# KiCad board board.kicad_pcb (continued)
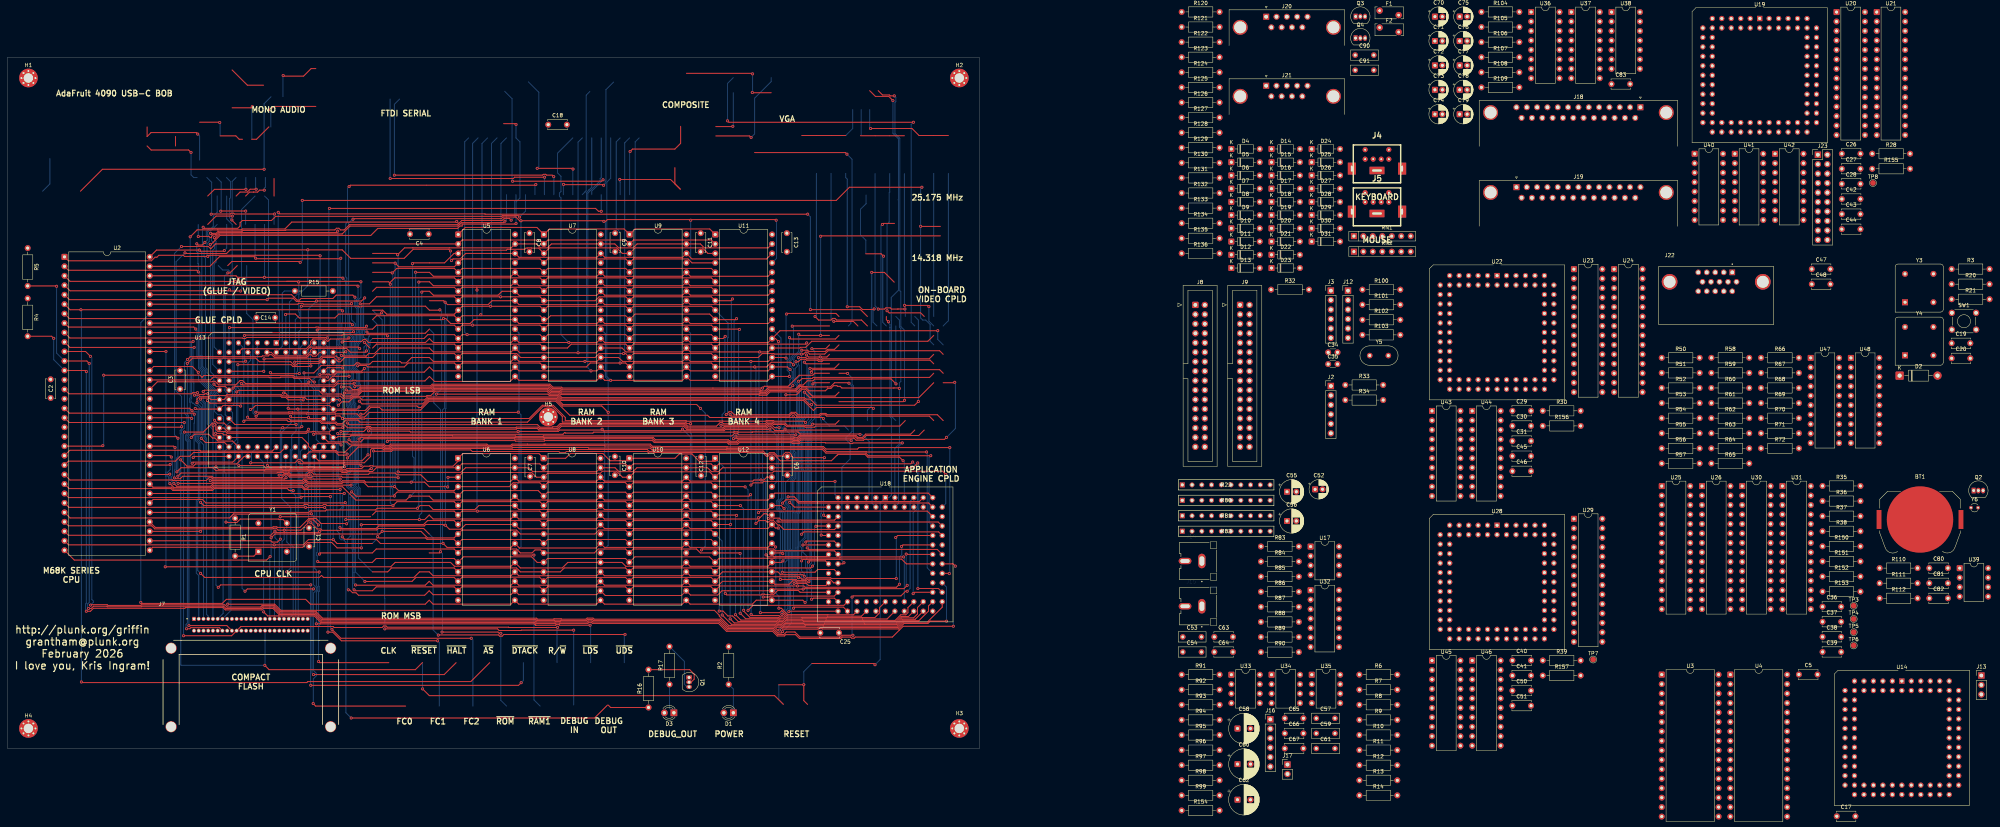
[diagram p0: board, top side]
## Library data of the parts
BT1 = -: Description: Coin cell, RTC backup
C1-C14 C17 C18 C25-C31 C34-C41 C80-C83 = -: Description: Unpolarized capacitor; ki_fp_filters: C_*
C19 C20 C42-C48 C50 C51 C53 C54 C57 C59 C61 C63-C67 C90 C91 = -: ki_fp_filters: C_*
C52 C55 C56 C58 C60 C62 = -: ki_fp_filters: CP_*
C70-C79 = -: Description: Polarized capacitor; ki_fp_filters: CP_*
D1 D3 = -: Description: POWER LED; Sim.Pins: 1=K 2=A; ki_fp_filters: LED* LED_SMD:* LED_THT:*
D2 = -: Datasheet: http://www.vishay.com/docs/88525/1n5817.pdf; Description: 20V 1A Schottky Barrier Rectifier Diode, DO-41; ki_fp_filters: D*DO?41*
D4-D31 = -: ki_fp_filters: TO-???* *_Diode_* *SingleDiode* D_*
F1 F2 = -: ki_fp_filters: *polyfuse* *PTC*
H1-H5 = -: Description: Mounting Hole with connection; ki_fp_filters: MountingHole*Pad*
J2 = -: Description: JTAG programming header: TCK TMS TDI TDO 5V GND; ki_fp_filters: Connector*:*_1x??_*
J3 J12 = -: Description: FTDI TTL-232R 6-pin header; ki_fp_filters: Connector*:*_1x??_*
J4 J5 = -: Datasheet: http://service.powerdynamics.com/ec/Catalog17/Section%2011.pdf; Description: KMDGX-6S-BS
J7 = -: PARTREV: A; STANDARD: Manufacturer Recommendations; MAXIMUM_PACKAGE_HEIGHT: 6.35 mm; MANUFACTURER: Samtec
J8 J9 = -: Datasheet: https://github.com/gusmanb/logicanalyzer/wiki/02---LogicAnalyzer-Hardware; Description: Logic analyzer debug header, gusmanb LogicAnalyzer V2 J2 pinout, 2x16 IDC box header; ki_fp_filters: Connector*:*_2x??_*
J13 J16 J17 = -: ki_fp_filters: Connector*:*_1x??_*
J14 J15 = -: ki_fp_filters: *BNC* *SMA* *SMB* *SMC* *Cinch* *LEMO* *UMRF* *MCX* *U.FL*
J18 = -: Description: DB-25 connector; ki_fp_filters: DSUB*Socket*
J19 = -: Description: DB-25 connector; ki_fp_filters: DSUB*Pins*
J20 J21 = -: ki_fp_filters: DSUB*Pins*
J23 = -: ki_fp_filters: Connector*:*_2x??_*
Q1 = -: Datasheet: https://www.onsemi.com/pub/Collateral/PN2222-D.PDF; Description: 1A Ic, 40V Vce, NPN Transistor, General Purpose Transistor, TO-92; Sim.Device: NPN; Sim.Pins: 1=E 2=B 3=C; ki_fp_filters: TO?92*
Q2 = -: Description: N-channel MOSFET: pulls RTC_SDA low when RTC_SDA_DRIVE is high; ki_fp_filters: TO?92*
Q3 Q4 = -: ki_fp_filters: TO?92*
R1-R17 R28 R30 R32-R39 R100-R112 = -: Description: Resistor; ki_fp_filters: R_*
R20 R21 R50-R72 R83-R99 R120-R136 R150-R157 = -: ki_fp_filters: R_*
R22 R80-R82 = -: ki_fp_filters: BO_4610X
RN1 RN2 = -: ki_fp_filters: R?Array?SIP*
SW1 = -: Description: Push button switch, generic, two pins - https://www.digikey.com/en/products/detail/omron-electronics-inc-emc-div/B3F-1060/1811725
TP3-TP7 = -: Description: test point; ki_fp_filters: Pin* Test*
TP8 = -: ki_fp_filters: Pin* Test*
U2 = -: Datasheet: https://www.nxp.com/docs/en/reference-manual/MC68000UM.pdf; Description: 16/32-bit microprocessor, 16-bit external data bus, 23-bit external address bus (effectively 24-bit), DIP-64 (900 mil, case 754-01); ki_fp_filters: DIP*W22.86mm*
U3 U4 = -: Datasheet: http://ww1.microchip.com/downloads/en/DeviceDoc/25022B.pdf; Description: Silicon Storage Technology (SSF) 512k x 8 Flash ROM
U5-U12 = -: Datasheet: https://www.alliancememory.com/wp-content/uploads/pdf/AS6C4008.pdf; Description: 512K x 8 Low Power CMOS RAM, DIP-32; ki_fp_filters: DIP*W15.24mm*
U13 U14 U18 U19 U22 U28 = -: Datasheet: https://ww1.microchip.com/downloads/en/DeviceDoc/doc0784.pdf; Description: Atmel/Microchip CPLD, 128 Macrocell, 5V supply, PLCC-84; ki_fp_filters: *PLCC*29.3*x29.3*mm?P1.27mm*
U17 = -: ki_fp_filters: SOIC*3.9x4.9mm*P1.27mm* DIP*W7.62mm* TO*99* OnSemi*Micro8* TSSOP*3x3mm*P0.65mm* TSSOP*4.4x3mm*P0.65mm* MSOP*3x3mm*P0.65mm* SSOP*3.9x4.9mm*P0.635mm* LFCSP*2x2mm*P0.5mm* *SIP* SOIC*5.3x6.2mm*P1.27mm*
U20 U21 U23-U26 U29-U31 = -: Datasheet: https://www.renesas.com/us/en/document/dst/7200-7202-datasheet; Description: 256x9 CMOS asynchronous FIFO, DIP-28 300 mil
U32 = -: ki_fp_filters: DIP?14*
U33-U35 = -: ki_fp_filters: SOIC*3.9x4.9mm*P1.27mm* DIP*W7.62mm* MSSOP*P0.65mm* TSSOP*3x3mm*P0.5mm*
U36 U37 = -: Datasheet: https://www.ti.com/lit/ds/symlink/max232.pdf; Description: Dual RS-232 driver/receiver, 5 V, charge pump; ki_fp_filters: SOIC*P1.27mm* DIP*W7.62mm* TSSOP*4.4x5mm*P0.65mm*
U38 = -: Datasheet: https://www.ti.com/lit/ds/symlink/sn75189.pdf; Description: Quad RS-232 line receiver; ki_fp_filters: DIP*W7.62mm*
U39 = -: Datasheet: https://ww1.microchip.com/downloads/en/DeviceDoc/20005010F.pdf; Description: I2C real-time clock/calendar with SRAM and battery switchover; ki_fp_filters: SOIC*3.9x4.9mm*P1.27mm* TSSOP*4.4x3mm*P0.65mm* MSOP*3x3mm*P0.65mm* DIP*W7.62mm*
U40-U42 = -: ki_fp_filters: DIP*W7.62mm*
U43-U48 = -: ki_fp_filters: DIP?20* SOIC*7.5x12.8mm*P1.27mm* TSSOP*4.4x6.5mm*P0.65mm* SSOP*4.4x6.5mm*P0.65mm*
Y1 = -: Datasheet: http://cdn-reichelt.de/documents/datenblatt/B400/OSZI.pdf; Description: Crystal Clock Oscillator, DIP8-style metal package; Digikey: https://www.digikey.com/en/products/detail/shenzhen-sctf-electronics/SXOA12-000A20F30TNN/25795929; ki_fp_filters: Oscillator*DIP*8*
Y3 Y4 = -: ki_fp_filters: Oscillator*DIP*8*
Y5 = -: Description: Two pin crystal - https://www.digikey.com/en/products/detail/ecs-inc/ECS-110-5-20-4X-EN/15777850; ki_fp_filters: Crystal*
Y6 = -: Description: 32.768 kHz tuning-fork crystal, load capacitance 6-9 pF; ki_fp_filters: Crystal*

## Footprints (pads in the part's own frame, mm; a bottom-side part is the same pattern mirrored in y, then rotated)
AMPHENOL_ICD15S13E4GX00LF
  rect 1.508x1.508 hole 1: 1(4.305,2.54)
  round 1.508 hole 1: 2(2.025,2.54) 3(-0.255,2.54) 4(-2.535,2.54) 5(-4.815,2.54) 6(5.445,0) 7(3.165,0) 8(0.885,0) 9(-1.395,0) 10(-3.675,0) 11(4.305,-2.54) 12(2.025,-2.54) 13(-0.255,-2.54) 14(-2.535,-2.54) 15(-4.815,-2.54)
  round 4.216 hole 3.2: S1(-12.495,0) S2(12.495,0)
BatteryHolder_Keystone_3034_1x20mm
  rect 1.27x5.08 smd: 1(-10.985,0) 1(10.985,0)
  round 17.8 smd: 2(0,0)
BO_4610X
  rect 1.321x1.321 hole 0.813: 1(0,0)
  round 1.321 hole 0.813: 2(2.616,0) 3(5.232,0) 4(7.849,0) 5(10.465,0) 6(13.081,0) 7(15.697,0) 8(18.313,0) 9(20.93,0) 10(23.546,0)
C_Disc_D3.0mm_W1.6mm_P2.50mm
  round 1.6 hole 0.8: 1(0,0) 2(2.5,0)
C_Disc_D5.0mm_W2.5mm_P5.00mm
  round 1.6 hole 0.8: 1(0,0) 2(5,0)
C_Rect_L7.2mm_W2.5mm_P5.00mm
  round 1.5 hole 0.75: 1(0,0) 2(5,0)
CP_Radial_D5.0mm_P2.00mm
  rrect 1.6x1.6 hole 0.8: 1(0,0)
  round 1.6 hole 0.8: 2(2,0)
CP_Radial_D6.3mm_P2.50mm
  rrect 1.6x1.6 hole 0.8: 1(0,0)
  round 1.6 hole 0.8: 2(2.5,0)
CP_Radial_D8.0mm_P3.50mm
  rrect 1.6x1.6 hole 0.8: 1(0,0)
  round 1.6 hole 0.8: 2(3.5,0)
Crystal_C26-LF_D2.1mm_L6.5mm_Vertical
  round 1 hole 0.5: 1(0,0) 2(1.9,0)
CUI_RCJ-044
  oval 1.95x3.9 hole 1.3x2.5: 1(0,0)
  oval 3.4x1.7 hole 2.5x1: 2(-4.5,0)
D_DO-35_SOD27_P7.62mm_Horizontal
  rrect 1.6x1.6 hole 0.8: 1(0,0)
  round 1.6 hole 0.8: 2(7.62,0)
D_DO-41_SOD81_P10.16mm_Horizontal
  rrect 2.2x2.2 hole 1.1: 1(0,0)
  round 2.2 hole 1.1: 2(10.16,0)
DIP-8_W7.62mm
  rrect 1.6x1.6 hole 0.8: 1(0,0)
  round 1.6 hole 0.8: 2(0,-2.54) 3(0,-5.08) 4(0,-7.62) 5(7.62,-7.62) 6(7.62,-5.08) 7(7.62,-2.54) 8(7.62,0)
DIP-14_W7.62mm
  rrect 1.6x1.6 hole 0.8: 1(0,0)
  round 1.6 hole 0.8: 2(0,-2.54) 3(0,-5.08) 4(0,-7.62) 5(0,-10.16) 6(0,-12.7) 7(0,-15.24) 8(7.62,-15.24) 9(7.62,-12.7) 10(7.62,-10.16) 11(7.62,-7.62) 12(7.62,-5.08) 13(7.62,-2.54) 14(7.62,0)
DIP-16_W7.62mm
  rrect 1.6x1.6 hole 0.8: 1(0,0)
  round 1.6 hole 0.8: 2(0,-2.54) 3(0,-5.08) 4(0,-7.62) 5(0,-10.16) 6(0,-12.7) 7(0,-15.24) 8(0,-17.78) 9(7.62,-17.78) 10(7.62,-15.24) 11(7.62,-12.7) 12(7.62,-10.16) 13(7.62,-7.62) 14(7.62,-5.08) 15(7.62,-2.54) 16(7.62,0)
DIP-20_W7.62mm
  rrect 1.6x1.6 hole 0.8: 1(0,0)
  round 1.6 hole 0.8: 2(0,-2.54) 3(0,-5.08) 4(0,-7.62) 5(0,-10.16) 6(0,-12.7) 7(0,-15.24) 8(0,-17.78) 9(0,-20.32) 10(0,-22.86) 11(7.62,-22.86) 12(7.62,-20.32) 13(7.62,-17.78) 14(7.62,-15.24) 15(7.62,-12.7) 16(7.62,-10.16) 17(7.62,-7.62) 18(7.62,-5.08) 19(7.62,-2.54) 20(7.62,0)
DIP-28_W7.62mm
  rrect 1.6x1.6 hole 0.8: 1(0,0)
  round 1.6 hole 0.8: 2(0,-2.54) 3(0,-5.08) 4(0,-7.62) 5(0,-10.16) 6(0,-12.7) 7(0,-15.24) 8(0,-17.78) 9(0,-20.32) 10(0,-22.86) 11(0,-25.4) 12(0,-27.94) 13(0,-30.48) 14(0,-33.02) 15(7.62,-33.02) 16(7.62,-30.48) 17(7.62,-27.94) 18(7.62,-25.4) 19(7.62,-22.86) 20(7.62,-20.32) 21(7.62,-17.78) 22(7.62,-15.24) 23(7.62,-12.7) 24(7.62,-10.16) 25(7.62,-7.62) 26(7.62,-5.08) 27(7.62,-2.54) 28(7.62,0)
DIP-32_W15.24mm
  rrect 1.6x1.6 hole 0.8: 1(0,0)
  round 1.6 hole 0.8: 2(0,-2.54) 3(0,-5.08) 4(0,-7.62) 5(0,-10.16) 6(0,-12.7) 7(0,-15.24) 8(0,-17.78) 9(0,-20.32) 10(0,-22.86) 11(0,-25.4) 12(0,-27.94) 13(0,-30.48) 14(0,-33.02) 15(0,-35.56) 16(0,-38.1) 17(15.24,-38.1) 18(15.24,-35.56) 19(15.24,-33.02) 20(15.24,-30.48) 21(15.24,-27.94) 22(15.24,-25.4) 23(15.24,-22.86) 24(15.24,-20.32) 25(15.24,-17.78) 26(15.24,-15.24) 27(15.24,-12.7) 28(15.24,-10.16) 29(15.24,-7.62) 30(15.24,-5.08) 31(15.24,-2.54) 32(15.24,0)
DIP-64_W22.86mm
  rrect 1.6x1.6 hole 0.8: 1(0,0)
  round 1.6 hole 0.8: 2(0,-2.54) 3(0,-5.08) 4(0,-7.62) 5(0,-10.16) 6(0,-12.7) 7(0,-15.24) 8(0,-17.78) 9(0,-20.32) 10(0,-22.86) 11(0,-25.4) 12(0,-27.94) 13(0,-30.48) 14(0,-33.02) 15(0,-35.56) 16(0,-38.1) 17(0,-40.64) 18(0,-43.18) 19(0,-45.72) 20(0,-48.26) 21(0,-50.8) 22(0,-53.34) 23(0,-55.88) 24(0,-58.42) 25(0,-60.96) 26(0,-63.5) 27(0,-66.04) 28(0,-68.58) 29(0,-71.12) 30(0,-73.66) 31(0,-76.2) 32(0,-78.74) 33(22.86,-78.74) 34(22.86,-76.2) 35(22.86,-73.66) 36(22.86,-71.12) 37(22.86,-68.58) 38(22.86,-66.04) 39(22.86,-63.5) 40(22.86,-60.96) 41(22.86,-58.42) 42(22.86,-55.88) 43(22.86,-53.34) 44(22.86,-50.8) 45(22.86,-48.26) 46(22.86,-45.72) 47(22.86,-43.18) 48(22.86,-40.64) 49(22.86,-38.1) 50(22.86,-35.56) 51(22.86,-33.02) 52(22.86,-30.48) 53(22.86,-27.94) 54(22.86,-25.4) 55(22.86,-22.86) 56(22.86,-20.32) 57(22.86,-17.78) 58(22.86,-15.24) 59(22.86,-12.7) 60(22.86,-10.16) 61(22.86,-7.62) 62(22.86,-5.08) 63(22.86,-2.54) 64(22.86,0)
DSUB-9_Pins_Horizontal_P2.77x2.84mm_EdgePinOffset4.94mm_Housed_MountingHolesOffset4.94mm
  round 4 hole 3.2: 0(-6.96,-2.84) 0(18.04,-2.84)
  rect 1.6x1.6 hole 1: 1(0,0)
  round 1.6 hole 1: 2(2.77,0) 3(5.54,0) 4(8.31,0) 5(11.08,0) 6(1.385,-2.84) 7(4.155,-2.84) 8(6.925,-2.84) 9(9.695,-2.84)
DSUB-25_Pins_Horizontal_P2.77x2.84mm_EdgePinOffset7.70mm_Housed_MountingHolesOffset9.12mm
  round 4 hole 3.2: 0(-6.93,-1.42) 0(40.17,-1.42)
  rect 1.6x1.6 hole 1: 1(0,0)
  round 1.6 hole 1: 2(2.77,0) 3(5.54,0) 4(8.31,0) 5(11.08,0) 6(13.85,0) 7(16.62,0) 8(19.39,0) 9(22.16,0) 10(24.93,0) 11(27.7,0) 12(30.47,0) 13(33.24,0) 14(1.385,-2.84) 15(4.155,-2.84) 16(6.925,-2.84) 17(9.695,-2.84) 18(12.465,-2.84) 19(15.235,-2.84) 20(18.005,-2.84) 21(20.775,-2.84) 22(23.545,-2.84) 23(26.315,-2.84) 24(29.085,-2.84) 25(31.855,-2.84)
DSUB-25_Socket_Horizontal_P2.77x2.84mm_EdgePinOffset7.70mm_Housed_MountingHolesOffset9.12mm
  round 4 hole 3.2: 0(-40.17,-1.42) 0(6.93,-1.42)
  rect 1.6x1.6 hole 1: 1(0,0)
  round 1.6 hole 1: 2(-2.77,0) 3(-5.54,0) 4(-8.31,0) 5(-11.08,0) 6(-13.85,0) 7(-16.62,0) 8(-19.39,0) 9(-22.16,0) 10(-24.93,0) 11(-27.7,0) 12(-30.47,0) 13(-33.24,0) 14(-1.385,-2.84) 15(-4.155,-2.84) 16(-6.925,-2.84) 17(-9.695,-2.84) 18(-12.465,-2.84) 19(-15.235,-2.84) 20(-18.005,-2.84) 21(-20.775,-2.84) 22(-23.545,-2.84) 23(-26.315,-2.84) 24(-29.085,-2.84) 25(-31.855,-2.84)
Fuse_Bourns_MF-RHT050
  round 1.71 hole 0.71: 1(0,0) 2(5.1,-1.2)
IDC-Header_2x16_P2.54mm_Vertical
  rrect 1.7x1.7 hole 1: 1(0,0)
  round 1.7 hole 1: 2(2.54,0) 3(0,-2.54) 4(2.54,-2.54) 5(0,-5.08) 6(2.54,-5.08) 7(0,-7.62) 8(2.54,-7.62) 9(0,-10.16) 10(2.54,-10.16) 11(0,-12.7) 12(2.54,-12.7) 13(0,-15.24) 14(2.54,-15.24) 15(0,-17.78) 16(2.54,-17.78) 17(0,-20.32) 18(2.54,-20.32) 19(0,-22.86) 20(2.54,-22.86) 21(0,-25.4) 22(2.54,-25.4) 23(0,-27.94) 24(2.54,-27.94) 25(0,-30.48) 26(2.54,-30.48) 27(0,-33.02) 28(2.54,-33.02) 29(0,-35.56) 30(2.54,-35.56) 31(0,-38.1) 32(2.54,-38.1)
LED_D3.0mm
  rect 1.8x1.8 hole 0.9: 1(0,0)
  round 1.8 hole 0.9: 2(2.54,0)
Mini_din6
  round 1.372 hole 0.508: 1(3.175,3.81) 2(3.175,1.27) 3(1.143,1.27) 4(-1.016,1.27) 5(-3.175,1.27) 6(-3.175,3.81)
  rect 2.169x3.2 hole 0.508x1.6: 7(-6.735,-1.27) 7(6.735,-1.27)
  rect 4x1.999 hole 2.6x0.508: 7(0,-1.778)
MountingHole_2.5mm_Pad_Via
  round 0.8 hole 0.5: 1(-1.875,0) 1(-1.326,1.326) 1(-1.326,-1.326) 1(0,1.875) 1(0,-1.875) 1(1.326,1.326) 1(1.326,-1.326) 1(1.875,0)
  round 5 hole 2.5: 1(0,0)
Oscillator_DIP-8
  rect 1.6x1.6 hole 0.8: 1(0,0)
  round 1.6 hole 0.8: 4(7.62,0) 5(7.62,7.62) 8(0,7.62)
PinHeader_1x02_P2.54mm_Vertical
  rect 1.7x1.7 hole 1: 1(0,0)
  round 1.7 hole 1: 2(0,-2.54)
PinHeader_1x03_P2.54mm_Vertical
  rect 1.7x1.7 hole 1: 1(0,0)
  round 1.7 hole 1: 2(0,-2.54) 3(0,-5.08)
PinHeader_1x06_P2.54mm_Vertical
  rect 1.7x1.7 hole 1: 1(0,0)
  round 1.7 hole 1: 2(0,-2.54) 3(0,-5.08) 4(0,-7.62) 5(0,-10.16) 6(0,-12.7)
PinHeader_2x10_P2.54mm_Vertical
  rect 1.7x1.7 hole 1: 1(0,0)
  round 1.7 hole 1: 2(2.54,0) 3(0,-2.54) 4(2.54,-2.54) 5(0,-5.08) 6(2.54,-5.08) 7(0,-7.62) 8(2.54,-7.62) 9(0,-10.16) 10(2.54,-10.16) 11(0,-12.7) 12(2.54,-12.7) 13(0,-15.24) 14(2.54,-15.24) 15(0,-17.78) 16(2.54,-17.78) 17(0,-20.32) 18(2.54,-20.32) 19(0,-22.86) 20(2.54,-22.86)
PLCC-84_THT-Socket
  rect 1.422x1.422 hole 0.8: 1(0,0)
  round 1.422 hole 0.8: 2(0,-2.54) 3(-2.54,0) 4(-2.54,-2.54) 5(-5.08,0) 6(-5.08,-2.54) 7(-7.62,0) 8(-7.62,-2.54) 9(-10.16,0) 10(-10.16,-2.54) 11(-12.7,0) 12(-15.24,-2.54) 13(-12.7,-2.54) 14(-15.24,-5.08) 15(-12.7,-5.08) 16(-15.24,-7.62) 17(-12.7,-7.62) 18(-15.24,-10.16) 19(-12.7,-10.16) 20(-15.24,-12.7) 21(-12.7,-12.7) 22(-15.24,-15.24) 23(-12.7,-15.24) 24(-15.24,-17.78) 25(-12.7,-17.78) 26(-15.24,-20.32) 27(-12.7,-20.32) 28(-15.24,-22.86) 29(-12.7,-22.86) 30(-15.24,-25.4) 31(-12.7,-25.4) 32(-15.24,-27.94) 33(-12.7,-30.48) 34(-12.7,-27.94) 35(-10.16,-30.48) 36(-10.16,-27.94) 37(-7.62,-30.48) 38(-7.62,-27.94) 39(-5.08,-30.48) 40(-5.08,-27.94) 41(-2.54,-30.48) 42(-2.54,-27.94) 43(0,-30.48) 44(0,-27.94) 45(2.54,-30.48) 46(2.54,-27.94) 47(5.08,-30.48) 48(5.08,-27.94) 49(7.62,-30.48) 50(7.62,-27.94) 51(10.16,-30.48) 52(10.16,-27.94) 53(12.7,-30.48) 54(15.24,-27.94) 55(12.7,-27.94) 56(15.24,-25.4) 57(12.7,-25.4) 58(15.24,-22.86) 59(12.7,-22.86) 60(15.24,-20.32) 61(12.7,-20.32) 62(15.24,-17.78) 63(12.7,-17.78) 64(15.24,-15.24) 65(12.7,-15.24) 66(15.24,-12.7) 67(12.7,-12.7) 68(15.24,-10.16) 69(12.7,-10.16) 70(15.24,-7.62) 71(12.7,-7.62) 72(15.24,-5.08) 73(12.7,-5.08) 74(15.24,-2.54) 75(12.7,0) 76(12.7,-2.54) 77(10.16,0) 78(10.16,-2.54) 79(7.62,0) 80(7.62,-2.54) 81(5.08,0) 82(5.08,-2.54) 83(2.54,0) 84(2.54,-2.54)
R_Array_SIP7
  rect 1.6x1.6 hole 0.8: 1(0,0)
  round 1.6 hole 0.8: 2(2.54,0) 3(5.08,0) 4(7.62,0) 5(10.16,0) 6(12.7,0) 7(15.24,0)
R_Axial_DIN0207_L6.3mm_D2.5mm_P10.16mm_Horizontal
  round 1.6 hole 0.8: 1(0,0) 2(10.16,0)
Resonator-2Pin_W10.0mm_H5.0mm
  round 1.5 hole 0.8: 1(0,0) 2(5,0)
SAMTEC_CFT-125-01-L-D-RA-01-SL
  rect 1.061x1.061 hole 0.711: 01(-15.24,7.874)
  round 1.061 hole 0.711: 02(-13.97,7.874) 03(-12.7,7.874) 04(-11.43,7.874) 05(-10.16,7.874) 06(-8.89,7.874) 07(-7.62,7.874) 08(-6.35,7.874) 09(-5.08,7.874) 10(-3.81,7.874) 11(-2.54,7.874) 12(-1.27,7.874) 13(0,7.874) 14(1.27,7.874) 15(2.54,7.874) 16(3.81,7.874) 17(5.08,7.874) 18(6.35,7.874) 19(7.62,7.874) 20(8.89,7.874) 21(10.16,7.874) 22(11.43,7.874) 23(12.7,7.874) 24(13.97,7.874) 25(15.24,7.874) 26(-15.24,4.699) 27(-13.97,4.699) 28(-12.7,4.699) 29(-11.43,4.699) 30(-10.16,4.699) 31(-8.89,4.699) 32(-7.62,4.699) 33(-6.35,4.699) 34(-5.08,4.699) 35(-3.81,4.699) 36(-2.54,4.699) 37(-1.27,4.699) 38(0,4.699) 39(1.27,4.699) 40(2.54,4.699) 41(3.81,4.699) 42(5.08,4.699) 43(6.35,4.699) 44(7.62,4.699) 45(8.89,4.699) 46(10.16,4.699) 47(11.43,4.699) 48(12.7,4.699) 49(13.97,4.699) 50(15.24,4.699)
  round 2.972 hole 2.692: S1(-21.387,0) S2(21.387,0) S3(-21.387,-21.082) S4(21.387,-21.082)
SW_TH_Tactile_Omron_B3F-106x
  round 1.7 hole 1: 1(0,0) 1(6.5,0) 2(0,-4.5) 2(6.5,-4.5)
TestPoint_Pad_D1.5mm
  round 1.5 smd: 1(0,0)
TO-92_Inline
  rect 1.05x1.5 hole 0.75: 1(0,0)
  oval 1.05x1.5 hole 0.75: 2(1.27,0) 3(2.54,0)

## Nets
+5V: C1.1 C2.1 C3.1 C4.1 C5.1 C6.1 C7.1 C8.1 C9.1 C10.1 C11.1 C12.1 C13.1 C14.1 C17.1 C18.1 C19.1 C20.1 C25.1 C26.1 C27.1 C28.1 C29.1 C30.1 C31.1 C36.1 C37.1 C38.1 C39.1 C40.1 C41.1 C42.1 C43.1 C44.1 C45.1 C46.1 C47.1 C48.1 C50.1 C51.1 C63.1 C64.1 C65.1 C66.1 C67.1 C74.1 C79.1 C82.1 C83.1 D1.2 D3.2 D4.1 D6.1 D8.1 D10.1 D12.1 D14.1 D16.1 D18.1 D20.1 D22.1 D24.1 D26.1 D28.1 D30.1 F1.1 F2.1 J2.5 J4.4 J5.4 J7.13 J7.36 J7.38 J8.3 J9.3 R1.1 R3.1 R4.1 R5.1 R6.1 R7.1 R8.1 R9.1 R10.1 R11.1 R12.1 R13.1 R14.1 R20.1 R21.1 R34.1 R83.1 R104.1 R105.1 R106.1 R107.1 R108.1 R109.1 R110.1 R111.1 R112.1 R134.1 R135.1 R136.1 RN1.1 RN2.1 U2.14 U2.49 U3.32 U4.32 U5.32 U6.32 U7.32 U8.32 U9.32 U10.32 U11.32 U12.32 U13.3 U13.13 U13.26 U13.38 U13.43 U13.53 U13.66 U13.78 U14.3 U14.13 U14.26 U14.38 U14.43 U14.53 U14.66 U14.78 U17.8 U18.3 U18.13 U18.26 U18.38 U18.43 U18.53 U18.66 U18.78 U19.3 U19.13 U19.26 U19.38 U19.43 U19.53 U19.66 U19.78 U20.23 U20.28 U21.23 U21.28 U22.3 U22.13 U22.26 U22.38 U22.43 U22.53 U22.66 U22.78 U23.23 U23.28 U24.23 U24.28 U25.23 U25.28 U26.23 U26.28 U28.3 U28.13 U28.26 U28.38 U28.43 U28.53 U28.66 U28.78 U29.23 U29.28 U30.23 U30.28 U31.23 U31.28 U32.14 U33.6 U34.6 U35.6 U36.16 U37.16 U38.14 U39.8 U40.16 U41.16 U42.16 U43.20 U44.20 U45.20 U46.20 U47.20 U48.20 Y1.8 Y3.8 Y4.8
/RTC/VBAT: U39.3
GND: BT1.2 C1.2 C2.2 C3.2 C4.2 C5.2 C6.2 C7.2 C8.2 C9.2 C10.2 C11.2 C12.2 C13.2 C14.2 C17.2 C18.2 C19.2 C20.2 C25.2 C26.2 C27.2 C28.2 C29.2 C30.2 C31.2 C34.2 C35.1 C36.2 C37.2 C38.2 C39.2 C40.2 C41.2 C42.2 C43.2 C44.2 C45.2 C46.2 C47.2 C48.2 C50.2 C51.2 C52.2 C57.2 C59.2 C61.2 C63.2 C64.2 C65.2 C66.2 C67.2 C72.2 C73.1 C74.2 C77.2 C78.1 C79.2 C80.2 C81.2 C82.2 C83.2 C90.2 C91.2 D5.2 D7.2 D9.2 D11.2 D13.2 D15.2 D17.2 D19.2 D21.2 D23.2 D25.2 D27.2 D29.2 D31.2 H1.1 H2.1 H3.1 H4.1 H5.1 J2.6 J3.1 J4.3 J4.7 J5.3 J5.7 J7.01 J7.08 J7.09 J7.10 J7.11 J7.12 J7.14 J7.15 J7.16 J7.39 J7.50 J8.1 J8.2 J9.1 J9.2 J12.1 J13.3 J14.2 J15.2 J16.3 J16.6 J17.2 J18.7 J19.7 J20.8 J21.8 J22.5 J22.6 J22.7 J22.8 J22.10 J22.S1 J22.S2 J23.18 J23.19 J23.20 Q1.1 Q2.1 Q3.1 Q4.1 R2.2 R15.2 R22.10 R33.2 R56.2 R63.2 R70.2 R80.10 R81.10 R82.10 R84.2 R87.2 R88.2 R92.2 R95.2 R99.2 SW1.1 U2.16 U2.53 U3.16 U4.16 U5.16 U5.24 U6.16 U6.24 U7.16 U7.24 U8.16 U8.24 U9.16 U9.24 U10.16 U10.24 U11.16 U11.24 U12.16 U12.24 U13.7 U13.19 U13.32 U13.42 U13.47 U13.59 U13.72 U13.82 U14.7 U14.19 U14.32 U14.42 U14.47 U14.59 U14.72 U14.82 U17.4 U18.7 U18.19 U18.32 U18.42 U18.47 U18.59 U18.72 U18.82 U19.7 U19.19 U19.32 U19.42 U19.47 U19.59 U19.72 U19.82 U20.2 U20.7 U20.14 U21.2 U21.7 U21.14 U22.7 U22.19 U22.32 U22.42 U22.47 U22.59 U22.72 U22.82 U23.2 U23.7 U23.14 U24.2 U24.7 U24.14 U25.2 U25.7 U25.14 U26.2 U26.7 U26.14 U28.7 U28.19 U28.32 U28.42 U28.47 U28.59 U28.72 U28.82 U29.2 U29.7 U29.14 U30.2 U30.7 U30.14 U31.2 U31.7 U31.14 U32.7 U33.2 U33.4 U34.2 U34.4 U35.2 U35.4 U36.15 U37.15 U38.7 U38.10 U38.13 U39.4 U40.2 U40.8 U41.2 U41.8 U42.2 U42.8 U43.1 U43.10 U43.19 U44.1 U44.10 U44.19 U45.1 U45.10 U45.19 U46.1 U46.10 U46.19 U47.1 U47.10 U47.19 U48.1 U48.8 U48.9 U48.10 U48.19 Y1.4 Y3.4 Y4.4
/AUDIO/~{AUDCTL_FIFO_W_FIFO_SIDE}: R157.2 U29.1
/AUDIO_AMP/HP_AMP_L: C58.1 R93.1 U33.5
/AUDIO_AMP/HP_AMP_R: C60.1 R96.1 U34.5
/AUDIO_AMP/HP_IN_L: R91.2 R92.1 U33.3
/AUDIO_AMP/HP_IN_R: R94.2 R95.1 U34.3
/AUDIO_AMP/POT_L: J16.2 R91.1
/AUDIO_AMP/POT_R: J16.5 R94.1
/AUDIO_AMP/SPK_AMP: C62.1 R154.1 U35.5
/AUDIO_AMP/SPK_IN_L: R97.1
/AUDIO_AMP/SPK_IN_R: R98.1
/AUDIO_AMP/SPK_PLUS: C62.2 J17.1
/AUDIO_AMP/SPK_SUM: R97.2 R98.2 R99.1 U35.3
/AUDIO_AMP/ZOB_L: C57.1 R93.2
/AUDIO_AMP/ZOB_R: C59.1 R96.2
/AUDIO_AMP/ZOB_SPK: C61.1 R154.2
/AUDIO_DAC/AMP_L: C53.2 C55.1 R85.2 R87.1 U17.1
/AUDIO_DAC/AMP_R: C54.2 C56.1 R86.2 R88.1 U17.7
/AUDIO_DAC/LADDER_0: R22.1 U32.1
/AUDIO_DAC/LADDER_1: R80.1 U32.4
/AUDIO_DAC/LADDER_2: R81.1 U32.8
/AUDIO_DAC/LADDER_3: R82.1 U32.11
/AUDIO_DAC/RCA_L: J14.1 R89.2
/AUDIO_DAC/RCA_R: J15.1 R90.2
/AUDIO_DAC/SUM_L: C53.1 R85.1 U17.2 U32.2 U32.3
/AUDIO_DAC/SUM_R: C54.1 R86.1 U17.6 U32.9 U32.10
/AUDIO_DAC/VBIAS: C52.1 R83.2 R84.1 U17.3 U17.5
/AUDIO_FIFO/~{SAMPLES0_FIFO_W_FIFO_SIDE}: R150.2 U25.1
/AUDIO_FIFO/~{SAMPLES1_FIFO_W_FIFO_SIDE}: R151.2 U26.1
/AUDIO_FIFO/~{SAMPLES2_FIFO_W_FIFO_SIDE}: R152.2 U30.1
/AUDIO_FIFO/~{SAMPLES3_FIFO_W_FIFO_SIDE}: R153.2 U31.1
/COMPOSITOR/~{VIDCMD_FIFO_W_FIFO_SIDE}: R156.2 U23.1 U24.1
/COMPOSITOR/~{VIDCMD_RE_FIFO_SIDE}: R30.2 U23.15 U24.15
/DEBUG_HEADER/SYSCLK_TAP: J9.32 R32.1
/PANEL/JS1_1: D4.2 D5.1 J20.1 R120.1
/PANEL/JS1_2: D6.2 D7.1 J20.2 R121.1
/PANEL/JS1_3: D8.2 D9.1 J20.3 R122.1
/PANEL/JS1_4: D10.2 D11.1 J20.4 R123.1
/PANEL/JS1_5: D14.2 D15.1 J20.5 R125.1
/PANEL/JS1_6: D12.2 D13.1 J20.6 R124.1
/PANEL/JS1_7: F1.2 J20.7
/PANEL/JS1_9: D16.2 D17.1 J20.9 R126.1
/PANEL/JS2_1: D18.2 D19.1 J21.1 R127.1
/PANEL/JS2_2: D20.2 D21.1 J21.2 R128.1
/PANEL/JS2_3: D22.2 D23.1 J21.3 R129.1
/PANEL/JS2_4: D24.2 D25.1 J21.4 R130.1
/PANEL/JS2_5: D28.2 D29.1 J21.5 R132.1
/PANEL/JS2_6: D26.2 D27.1 J21.6 R131.1
/PANEL/JS2_7: F2.2 J21.7
/PANEL/JS2_9: D30.2 D31.1 J21.9 R133.1
/PIXEL/PIXEL_SPARE_30: J23.1 U19.30
/PIXEL/PIXEL_SPARE_34: J23.2 U19.34
/PIXEL/PIXEL_SPARE_37: J23.3 U19.37
/PIXEL/PIXEL_SPARE_50: J23.4 U19.50
/PIXEL/PIXEL_SPARE_54: J23.5 U19.54
/PIXEL/PIXEL_SPARE_55: J23.6 U19.55
/PIXEL/PIXEL_SPARE_63: J23.7 U19.63
/PIXEL/PIXEL_SPARE_64: J23.8 U19.64
/PIXEL/PIXEL_SPARE_65: J23.9 U19.65
/PIXEL/PIXEL_SPARE_73: J23.10 U19.73
/PIXEL/PIXEL_SPARE_74: J23.11 U19.74
/PIXEL/PIXEL_SPARE_75: J23.12 U19.75
/PIXEL/PIXEL_SPARE_76: J23.13 U19.76
/PIXEL/PIXEL_SPARE_77: J23.14 U19.77
/PIXEL/PIXEL_SPARE_79: J23.15 U19.79
/PIXEL/PIXEL_SPARE_80: J23.16 U19.80
/PIXEL/PIXEL_SPARE_81: J23.17 U19.81
/PIXEL/~{PIXELS_FIFO_W_FIFO_SIDE}: R155.2 U20.1 U21.1
/PIXEL/~{PIXELS_RE_FIFO_SIDE}: R28.2 U20.15 U21.15
/PORTS/PORTS_SPARE_34: J13.1 U14.34
/PORTS/PORTS_SPARE_41: J13.2 U14.41
/POWER_CLOCK_RESET/Y3_EN: R20.2 Y3.1
/POWER_CLOCK_RESET/Y4_EN: R21.2 Y4.1
/RTC/XTAL1: C80.1 U39.1 Y6.1
/RTC/XTAL2: C81.1 U39.2 Y6.2
/SERIAL/CONSOLE_DTR: J18.6 J18.8 J18.20
/SERIAL/MAXA_C1+: C70.1 U36.1
/SERIAL/MAXA_C1-: C70.2 U36.3
/SERIAL/MAXA_C2+: C71.1 U36.4
/SERIAL/MAXA_C2-: C71.2 U36.5
/SERIAL/MAXA_VS+: C72.1 U36.2
/SERIAL/MAXA_VS-: C73.2 U36.6
/SERIAL/MAXB_C1+: C75.1 U37.1
/SERIAL/MAXB_C1-: C75.2 U37.3
/SERIAL/MAXB_C2+: C76.1 U37.4
/SERIAL/MAXB_C2-: C76.2 U37.5
/SERIAL/MAXB_VS+: C77.1 U37.2
/SERIAL/MAXB_VS-: C78.2 U37.6
/SERIAL/MODEM_DTR: J19.6 J19.20
/SERIAL/RS232_A_CTS: J18.5 U36.7
/SERIAL/RS232_A_RTS: J18.4 U36.8
/SERIAL/RS232_A_RXD: J18.3 U36.14
/SERIAL/RS232_A_TXD: J18.2 U36.13
/SERIAL/RS232_B_CTS: J19.5 U37.8
/SERIAL/RS232_B_DCD: J19.8 U38.1
/SERIAL/RS232_B_RI: J19.22 U38.4
/SERIAL/RS232_B_RTS: J19.4 U37.7
/SERIAL/RS232_B_RXD: J19.3 U37.13
/SERIAL/RS232_B_TXD: J19.2 U37.14
/VGA_OUT/HS_BUF: R71.1 U48.14
/VGA_OUT/HS_OUT: J22.13 R71.2
/VGA_OUT/VB0: R69.1 U48.15
/VGA_OUT/VB1: R67.1 U48.16
/VGA_OUT/VB1_MID: R67.2 R68.1
/VGA_OUT/VB2: R66.1 U48.17
/VGA_OUT/VB3: R64.1 R65.1 U48.18
/VGA_OUT/VG0: R62.1 U47.11
/VGA_OUT/VG1: R60.1 U47.12
/VGA_OUT/VG1_MID: R60.2 R61.1
/VGA_OUT/VG2: R59.1 U47.13
/VGA_OUT/VG3: R57.1 R58.1 U47.14
/VGA_OUT/VGA_B: J22.3 R64.2 R65.2 R66.2 R68.2 R69.2 R70.1
/VGA_OUT/VGA_G: J22.2 R57.2 R58.2 R59.2 R61.2 R62.2 R63.1
/VGA_OUT/VGA_R: J22.1 R50.2 R51.2 R52.2 R54.2 R55.2 R56.1
/VGA_OUT/VR0: R55.1 U47.15
/VGA_OUT/VR1: R53.1 U47.16
/VGA_OUT/VR1_MID: R53.2 R54.1
/VGA_OUT/VR2: R52.1 U47.17
/VGA_OUT/VR3: R50.1 R51.1 U47.18
/VGA_OUT/VS_BUF: R72.1 U48.13
/VGA_OUT/VS_OUT: J22.14 R72.2
A1: J7.20 J9.31 U2.29 U3.12 U4.12 U5.12 U6.12 U7.12 U8.12 U9.12 U10.12 U11.12 U12.12 U13.6 U14.31 U18.56
A2: J7.19 J9.29 U2.30 U3.11 U4.11 U5.11 U6.11 U7.11 U8.11 U9.11 U10.11 U11.11 U12.11 U13.8 U14.30 U18.57
A3: J7.18 J9.27 U2.31 U3.10 U4.10 U5.10 U6.10 U7.10 U8.10 U9.10 U10.10 U11.10 U12.10 U13.9 U14.21 U18.58
A4: J7.17 J9.25 U2.32 U3.9 U4.9 U5.9 U6.9 U7.9 U8.9 U9.9 U10.9 U11.9 U12.9 U13.73 U14.22 U18.44
A5: J9.23 U2.33 U3.8 U4.8 U5.8 U6.8 U7.8 U8.8 U9.8 U10.8 U11.8 U12.8 U13.10 U18.60
A6: J9.21 U2.34 U3.7 U4.7 U5.7 U6.7 U7.7 U8.7 U9.7 U10.7 U11.7 U12.7 U18.61
A7: J9.19 U2.35 U3.6 U4.6 U5.6 U6.6 U7.6 U8.6 U9.6 U10.6 U11.6 U12.6 U18.45
A8: J9.17 U2.36 U3.5 U4.5 U5.5 U6.5 U7.5 U8.5 U9.5 U10.5 U11.5 U12.5 U18.46
A9: J9.15 U2.37 U3.27 U4.27 U5.27 U6.27 U7.27 U8.27 U9.27 U10.27 U11.27 U12.27 U18.48
A10: J9.13 U2.38 U3.26 U4.26 U5.26 U6.26 U7.26 U8.26 U9.26 U10.26 U11.26 U12.26 U18.50
A11: J9.11 U2.39 U3.23 U4.23 U5.23 U6.23 U7.23 U8.23 U9.23 U10.23 U11.23 U12.23 U18.49
A12: J9.9 U2.40 U3.25 U4.25 U5.25 U6.25 U7.25 U8.25 U9.25 U10.25 U11.25 U12.25 U18.51
A13: J9.10 U2.41 U3.4 U4.4 U5.4 U6.4 U7.4 U8.4 U9.4 U10.4 U11.4 U12.4 U18.52
A14: J9.12 U2.42 U3.28 U4.28 U5.28 U6.28 U7.28 U8.28 U9.28 U10.28 U11.28 U12.28 U18.55
A15: J9.14 U2.43 U3.29 U4.29 U5.3 U6.3 U7.3 U8.3 U9.3 U10.3 U11.3 U12.3 U18.54
A16: J9.16 U2.44 U3.3 U4.3 U5.31 U6.31 U7.31 U8.31 U9.31 U10.31 U11.31 U12.31 U18.67
A17: J9.18 U2.45 U3.2 U4.2 U5.2 U6.2 U7.2 U8.2 U9.2 U10.2 U11.2 U12.2 U18.81
A18: J9.20 U2.46 U3.30 U4.30 U5.30 U6.30 U7.30 U8.30 U9.30 U10.30 U11.30 U12.30 U13.50 U18.65
A19: J9.22 U2.47 U3.1 U4.1 U5.1 U6.1 U7.1 U8.1 U9.1 U10.1 U11.1 U12.1 U13.49 U18.64
A20: J9.24 U2.48 U13.30 U18.70
A21: J9.26 U2.50 U13.31 U18.68
A22: J9.28 U2.51 U13.5 U18.69
A23: J9.30 U2.52 U13.4 U18.28
AUDIO_TICK: TP8.1 U19.52
AUDIO_TO_ENGINE_TD: U18.14 U28.71
CF_INTRQ: J7.37 R33.1 U13.46
CF_IORDY: J7.42 R34.2 U13.63
CLK2: U19.2 Y4.5
CONTROL_Q0: U28.31 U29.9
CONTROL_Q1: U28.30 U29.10
CONTROL_Q2: U28.25 U29.11
CONTROL_Q3: U28.41 U29.12
CONTROL_Q4: U28.40 U29.16
CONTROL_Q5: U28.39 U29.17
CONTROL_Q6: U28.37 U29.18
CONTROL_Q7: U28.35 U29.19
D0: J7.21 J8.31 U2.5 U3.13 U5.13 U7.13 U9.13 U11.13 U13.81 U14.18 U18.17 U43.2 U45.2
D1: J7.22 J8.29 U2.4 U3.14 U5.14 U7.14 U9.14 U11.14 U13.33 U14.16 U18.75 U43.3 U45.3
D2: J7.23 J8.27 U2.3 U3.15 U5.15 U7.15 U9.15 U11.15 U13.34 U14.15 U18.22 U43.4 U45.4
D3: J7.02 J8.25 U2.2 U3.17 U5.17 U7.17 U9.17 U11.17 U13.36 U14.28 U18.6 U43.5 U45.5
D4: J7.03 J8.23 U2.1 U3.18 U5.18 U7.18 U9.18 U11.18 U13.39 U14.24 U18.15 U43.6 U45.6
D5: J7.04 J8.21 U2.64 U3.19 U5.19 U7.19 U9.19 U11.19 U13.37 U14.27 U18.5 U43.7 U45.7
D6: J7.05 J8.19 U2.63 U3.20 U5.20 U7.20 U9.20 U11.20 U13.35 U14.20 U18.4 U43.8 U45.8
D7: J7.06 J8.17 U2.62 U3.21 U5.21 U7.21 U9.21 U11.21 U13.40 U14.29 U18.16 U43.9 U45.9
D8: J7.47 J8.15 U2.61 U4.13 U6.13 U8.13 U10.13 U12.13 U18.73 U44.2 U46.2
D9: J7.48 J8.13 U2.60 U4.14 U6.14 U8.14 U10.14 U12.14 U18.8 U44.3 U46.3
D10: J7.49 J8.11 U2.59 U4.15 U6.15 U8.15 U10.15 U12.15 U18.9 U44.4 U46.4
D11: J7.27 J8.9 U2.58 U4.17 U6.17 U8.17 U10.17 U12.17 U18.10 U44.5 U46.5
D12: J7.28 J8.10 U2.57 U4.18 U6.18 U8.18 U10.18 U12.18 U18.11 U44.6 U46.6
D13: J7.29 J8.12 U2.56 U4.19 U6.19 U8.19 U10.19 U12.19 U18.12 U44.7 U46.7
D14: J7.30 J8.14 U2.55 U4.20 U6.20 U8.20 U10.20 U12.20 U18.74 U44.8 U46.8
D15: J7.31 J8.16 U2.54 U4.21 U6.21 U8.21 U10.21 U12.21 U18.20 U44.9 U46.9
D_AUDIO_FIFO0: U29.6 U30.6 U31.6 U45.18
D_AUDIO_FIFO1: U29.5 U30.5 U31.5 U45.17
D_AUDIO_FIFO2: U29.4 U30.4 U31.4 U45.16
D_AUDIO_FIFO3: U29.3 U30.3 U31.3 U45.15
D_AUDIO_FIFO4: U29.27 U30.27 U31.27 U45.14
D_AUDIO_FIFO5: U29.26 U30.26 U31.26 U45.13
D_AUDIO_FIFO6: U29.25 U30.25 U31.25 U45.12
D_AUDIO_FIFO7: U29.24 U30.24 U31.24 U45.11
D_AUDIO_FIFO8: U25.6 U26.6 U46.18
D_AUDIO_FIFO9: U25.5 U26.5 U46.17
D_AUDIO_FIFO10: U25.4 U26.4 U46.16
D_AUDIO_FIFO11: U25.3 U26.3 U46.15
D_AUDIO_FIFO12: U25.27 U26.27 U46.14
D_AUDIO_FIFO13: U25.26 U26.26 U46.13
D_AUDIO_FIFO14: U25.25 U26.25 U46.12
D_AUDIO_FIFO15: U25.24 U26.24 U46.11
D_VIDEO_FIFO0: U21.6 U24.6 U43.18
D_VIDEO_FIFO1: U21.5 U24.5 U43.17
D_VIDEO_FIFO2: U21.4 U24.4 U43.16
D_VIDEO_FIFO3: U21.3 U24.3 U43.15
D_VIDEO_FIFO4: U21.27 U24.27 U43.14
D_VIDEO_FIFO5: U21.26 U24.26 U43.13
D_VIDEO_FIFO6: U21.25 U24.25 U43.12
D_VIDEO_FIFO7: U21.24 U24.24 U43.11
D_VIDEO_FIFO8: U20.6 U23.6 U44.18
D_VIDEO_FIFO9: U20.5 U23.5 U44.17
D_VIDEO_FIFO10: U20.4 U23.4 U44.16
D_VIDEO_FIFO11: U20.3 U23.3 U44.15
D_VIDEO_FIFO12: U20.27 U23.27 U44.14
D_VIDEO_FIFO13: U20.26 U23.26 U44.13
D_VIDEO_FIFO14: U20.25 U23.25 U44.12
D_VIDEO_FIFO15: U20.24 U23.24 U44.11
DCD_B: R108.2 U38.3
DEBUG_OUT: R16.1 U13.70
DUART_OP4: U19.67
DUART_OP5: U19.68
DUART_OP6: U19.69
DUART_OP7: U19.70
ENGINE_ACTIVE: U13.69 U18.30
ENGINE_TO_PIXEL_TD: U18.71 U19.14
ENGINE_WAITING: U13.52 U18.31
FC0: R6.2 U2.28 U13.44 U18.77
FC1: R9.2 U2.27 U13.28 U18.76
FC2: R11.2 U2.26 U13.45 U18.25
GATE0: U28.15 U32.13
GATE1: U28.24 U32.5
GATE2: U28.33 U32.6
GATE3: U28.4 U32.12
GLUE_TO_PORTS_TD: U13.71 U14.14
H_ACTIVE: U19.57 U22.5
HBLANK: U18.2 U19.61 U28.12
HDR_RTS_A: J3.6 R102.1
HDR_RTS_B: J12.6 R103.1
HDR_TXD_A: J3.4 R100.1
